# KiCad board Bus_Card.kicad_pcb (continued)
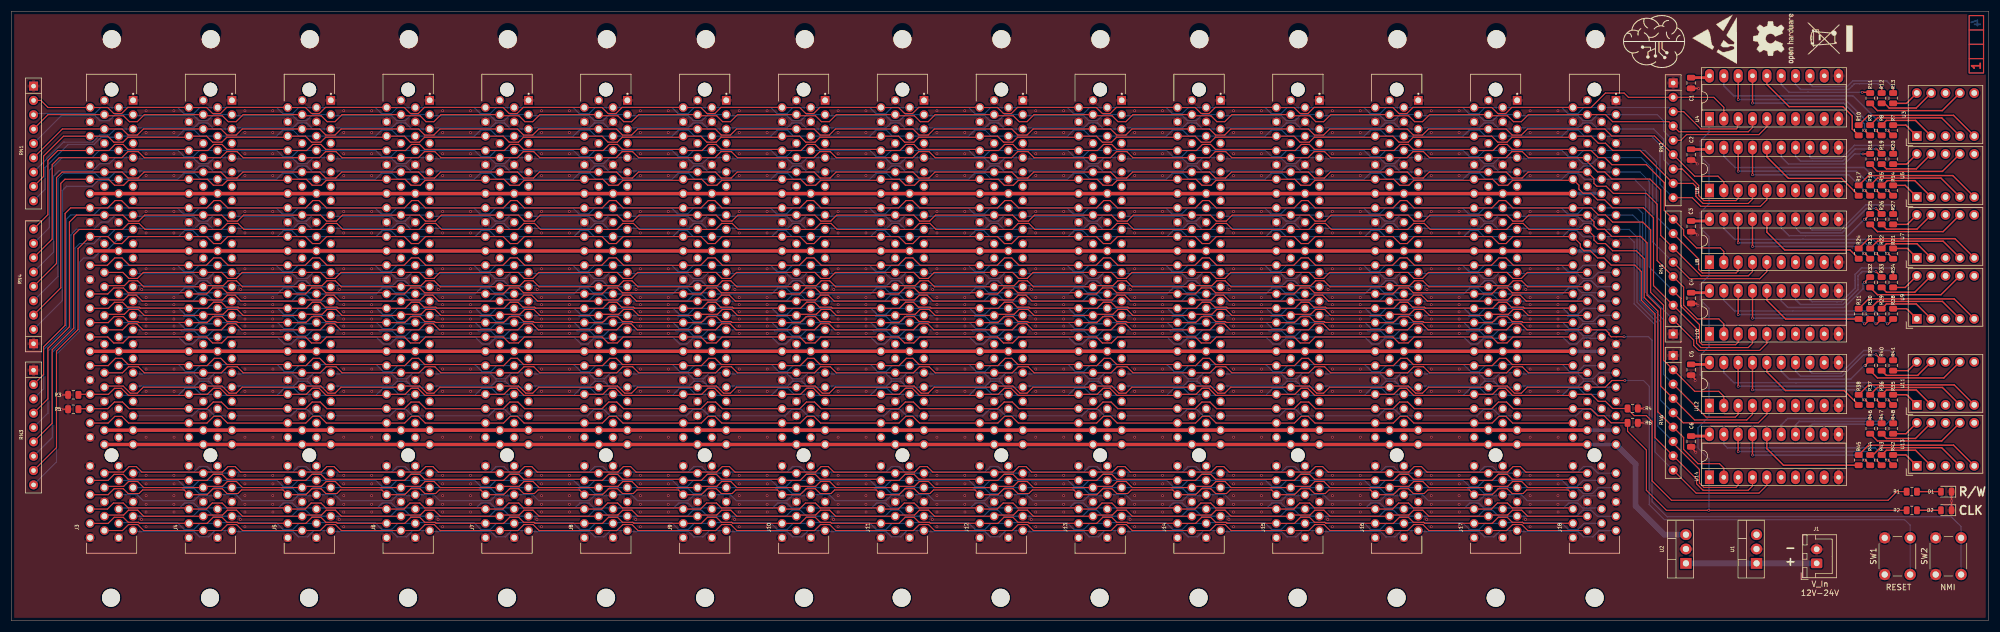
[diagram p0: board, top side]
## Routing (per net, layer and track width the routed paths; a pad name or vN(x,y) marks a point on that pad's centre or on a via; arc(x,y) is an arc through that point) (continued)
/D7: length 397.3
  Top w0.2: 310.69,25.4 310.76,25.32 310.76,24 309.37,22.61 298.24,22.61 RN6.9
  Bottom w0.2: RN6.9 290.96,29.89 290.96,52.45 287.27,56.13 287.27,67.06 286.29,68.04 J18.A20 278.21,68.04 277.14,69.1 275.65,69.1 274.59,68.04 J17.A20 260.71,68.04 259.64,69.1 258.15,69.1 257.09,68.04 J16.A20 243.21,68.04 242.14,69.1 240.65,69.1 239.59,68.04 J15.A20 225.71,68.04 224.64,69.1 223.15,69.1 222.09,68.04 J14.A20 208.21,68.04 207.14,69.1 205.65,69.1 204.59,68.04 J13.A20 190.71,68.04 189.64,69.1 188.15,69.1 187.09,68.04 J12.A20 173.21,68.04 172.14,69.1 170.65,69.1 169.59,68.04 J11.A20 155.71,68.04 154.64,69.1 153.15,69.1 152.09,68.04 J10.A20 138.21,68.04 137.14,69.1 135.65,69.1 134.59,68.04 J9.A20 120.71,68.04 119.64,69.1 118.15,69.1 117.09,68.04 J8.A20 103.21,68.04 102.14,69.1 100.65,69.1 99.59,68.04 J7.A20 85.71,68.04 84.64,69.1 83.15,69.1 82.09,68.04 J6.A20 68.21,68.04 67.14,69.1 65.65,69.1 64.59,68.04 J5.A20 50.71,68.04 49.64,69.1 48.15,69.1 47.09,68.04 J4.A20 33.21,68.04 32.14,69.1 30.65,69.1 29.59,68.04 J3.A20 19.02,67.68 16.87,65.53 15.88,65.53 14.6,64.26 12.83,64.26 12.06,63.5 12.06,51.31 8,47.24 8,28.12 RN3.9
/E: length 277.1
  Bottom w0.2: J18.A45 281,36.29 279.83,37.46 278.18,37.46 277,36.29 J17.A45 263.5,36.29 262.33,37.46 260.68,37.46 259.5,36.29 J16.A45 246,36.29 244.83,37.46 243.18,37.46 242,36.29 J15.A45 228.5,36.29 227.33,37.46 225.68,37.46 224.5,36.29 J14.A45 211,36.29 209.83,37.46 208.18,37.46 207,36.29 J13.A45 193.5,36.29 192.33,37.46 190.68,37.46 189.5,36.29 J12.A45 176,36.29 174.83,37.46 173.18,37.46 172,36.29 J11.A45 158.5,36.29 157.33,37.46 155.68,37.46 154.5,36.29 J10.A45 141,36.29 139.83,37.46 138.18,37.46 137,36.29 J9.A45 123.5,36.29 122.33,37.46 120.68,37.46 119.5,36.29 J8.A45 106,36.29 104.83,37.46 103.18,37.46 102,36.29 J7.A45 88.5,36.29 87.33,37.46 85.68,37.46 84.5,36.29 J6.A45 71,36.29 69.83,37.46 68.18,37.46 67,36.29 J5.A45 53.5,36.29 52.33,37.46 50.68,37.46 49.5,36.29 J4.A45 36,36.29 34.83,37.46 33.18,37.46 32,36.29 J3.A45
/M/X: length 277.1
  Top w0.2: J18.B46 265.76,35.02 264.59,36.19 263.32,36.19 262.14,35.02 J17.B46 248.26,35.02 247.09,36.19 245.82,36.19 244.64,35.02 J16.B46 230.76,35.02 229.59,36.19 228.32,36.19 227.14,35.02 J15.B46 213.26,35.02 212.09,36.19 210.82,36.19 209.64,35.02 J14.B46 195.76,35.02 194.59,36.19 193.32,36.19 192.14,35.02 J13.B46 178.26,35.02 177.09,36.19 175.82,36.19 174.64,35.02 J12.B46 160.76,35.02 159.59,36.19 158.32,36.19 157.14,35.02 J11.B46 143.26,35.02 142.09,36.19 140.82,36.19 139.64,35.02 J10.B46 125.76,35.02 124.59,36.19 123.32,36.19 122.14,35.02 J9.B46 108.26,35.02 107.09,36.19 105.82,36.19 104.64,35.02 J8.B46 90.76,35.02 89.59,36.19 88.32,36.19 87.14,35.02 J7.B46 73.26,35.02 72.09,36.19 70.82,36.19 69.64,35.02 J6.B46 55.76,35.02 54.59,36.19 53.32,36.19 52.14,35.02 J5.B46 38.26,35.02 37.09,36.19 35.82,36.19 34.64,35.02 J4.B46 20.76,35.02 19.59,36.19 18.32,36.19 17.14,35.02 J3.B46
/P2/VDA: length 275.7
  Bottom w0.2: J18.A39 281.07,43.91 280,42.84 278.26,42.84 277.39,43.71 266.75,43.71 J17.A39 263.57,43.91 262.5,42.84 260.76,42.84 259.89,43.71 249.25,43.71 J16.A39 246.07,43.91 245,42.84 243.26,42.84 242.39,43.71 231.75,43.71 J15.A39 228.57,43.91 227.5,42.84 225.76,42.84 224.89,43.71 214.25,43.71 J14.A39 211.07,43.91 210,42.84 208.26,42.84 207.39,43.71 196.75,43.71 J13.A39 193.57,43.91 192.5,42.84 190.76,42.84 189.89,43.71 179.25,43.71 J12.A39 176.07,43.91 175,42.84 173.26,42.84 172.39,43.71 161.75,43.71 J11.A39 158.57,43.91 157.5,42.84 155.76,42.84 154.89,43.71 144.25,43.71 J10.A39 141.07,43.91 140,42.84 138.26,42.84 137.39,43.71 126.75,43.71 J9.A39 123.57,43.91 122.5,42.84 120.76,42.84 119.89,43.71 109.25,43.71 J8.A39 106.07,43.91 105,42.84 103.26,42.84 102.39,43.71 91.75,43.71 J7.A39 88.57,43.91 87.5,42.84 85.76,42.84 84.89,43.71 74.25,43.71 J6.A39 71.07,43.91 70,42.84 68.26,42.84 67.39,43.71 56.75,43.71 J5.A39 53.57,43.91 52.5,42.84 50.76,42.84 49.89,43.71 39.25,43.71 J4.A39 36.07,43.91 35,42.84 33.26,42.84 32.39,43.71 21.75,43.71 J3.A39
/PAGE: length 275.7
  Top w0.2: J18.B34 265.83,50.26 264.76,49.19 263.15,49.19 262.08,50.26 J17.B34 248.33,50.26 247.26,49.19 245.65,49.19 244.58,50.26 J16.B34 230.83,50.26 229.76,49.19 228.15,49.19 227.08,50.26 J15.B34 213.33,50.26 212.26,49.19 210.64,49.19 209.58,50.26 J14.B34 195.83,50.26 194.76,49.19 193.14,49.19 192.08,50.26 J13.B34 178.33,50.26 177.26,49.19 175.64,49.19 174.58,50.26 J12.B34 160.83,50.26 159.76,49.19 158.14,49.19 157.08,50.26 J11.B34 143.33,50.26 142.26,49.19 140.64,49.19 139.58,50.26 J10.B34 125.83,50.26 124.76,49.19 123.14,49.19 122.08,50.26 J9.B34 108.33,50.26 107.26,49.19 105.64,49.19 104.58,50.26 J8.B34 90.83,50.26 89.76,49.19 88.14,49.19 87.08,50.26 J7.B34 73.33,50.26 72.26,49.19 70.65,49.19 69.58,50.26 J6.B34 55.83,50.26 54.76,49.19 53.15,49.19 52.08,50.26 J5.B34 38.33,50.26 37.26,49.19 35.65,49.19 34.58,50.26 J4.B34 20.83,50.26 19.76,49.19 18.15,49.19 17.08,50.26 J3.B34
/R/~{W}: length 354.1
  Top w0.2: 333.76,22.86 332.23,21.34 293.88,21.34 290.45,24.76 290.45,35.31 289.43,36.32 287.27,36.32 286.11,37.49 R4.1 283.46,37.59 282.19,38.86 280.92,38.86 279.69,40.1 J18.B42 276.24,39.9 265.76,39.9 264.5,41.16 263.27,41.16 262.21,40.1 J17.B42 258.74,39.9 248.26,39.9 247,41.16 245.77,41.16 244.71,40.1 J16.B42 241.24,39.9 230.76,39.9 229.5,41.16 228.27,41.16 227.21,40.1 J15.B42 223.74,39.9 213.26,39.9 212,41.16 210.77,41.16 209.71,40.1 J14.B42 206.24,39.9 195.76,39.9 194.5,41.16 193.27,41.16 192.21,40.1 J13.B42 188.74,39.9 178.26,39.9 177,41.16 175.77,41.16 174.71,40.1 J12.B42 171.24,39.9 160.76,39.9 159.5,41.16 158.27,41.16 157.21,40.1 J11.B42 153.74,39.9 143.26,39.9 142,41.16 140.77,41.16 139.71,40.1 J10.B42 136.24,39.9 125.76,39.9 124.5,41.16 123.27,41.16 122.21,40.1 J9.B42 118.74,39.9 108.26,39.9 107,41.16 105.77,41.16 104.71,40.1 J8.B42 101.24,39.9 90.76,39.9 89.5,41.16 88.27,41.16 87.21,40.1 J7.B42 83.74,39.9 73.26,39.9 72,41.16 70.77,41.16 69.71,40.1 J6.B42 66.24,39.9 55.76,39.9 54.5,41.16 53.27,41.16 52.21,40.1 J5.B42 48.74,39.9 38.26,39.9 37,41.16 35.77,41.16 34.71,40.1 J4.B42 31.24,39.9 20.76,39.9 19.5,41.16 18.27,41.16 17.21,40.1 J3.B42 11.98,40.1 R3.1 ; 333.76,22.86 333.94,22.86 ; 333.76,22.86 R1.1
/RAM_0: length 277.1
  Bottom w0.2: J3.A53 21.74,26.31 32.31,26.31 33.3,27.3 34.7,27.3 35.88,26.13 J4.A53 39.24,26.31 49.81,26.31 50.8,27.3 52.2,27.3 53.38,26.13 J5.A53 56.74,26.31 67.31,26.31 68.3,27.3 69.7,27.3 70.88,26.13 J6.A53 74.24,26.31 84.81,26.31 85.8,27.3 87.2,27.3 88.38,26.13 J7.A53 91.74,26.31 102.31,26.31 103.3,27.3 104.7,27.3 105.88,26.13 J8.A53 109.24,26.31 119.81,26.31 120.8,27.3 122.2,27.3 123.38,26.13 J9.A53 126.74,26.31 137.31,26.31 138.3,27.3 139.7,27.3 140.88,26.13 J10.A53 144.24,26.31 154.81,26.31 155.8,27.3 157.2,27.3 158.38,26.13 J11.A53 161.74,26.31 172.31,26.31 173.3,27.3 174.7,27.3 175.88,26.13 J12.A53 179.24,26.31 189.81,26.31 190.8,27.3 192.2,27.3 193.38,26.13 J13.A53 196.74,26.31 207.31,26.31 208.3,27.3 209.7,27.3 210.88,26.13 J14.A53 214.24,26.31 224.81,26.31 225.8,27.3 227.2,27.3 228.38,26.13 J15.A53 231.74,26.31 242.31,26.31 243.3,27.3 244.7,27.3 245.88,26.13 J16.A53 249.24,26.31 259.81,26.31 260.8,27.3 262.2,27.3 263.38,26.13 J17.A53 266.74,26.31 277.31,26.31 278.3,27.3 279.7,27.3 280.88,26.13 J18.A53
/RAM_1: length 275.7
  Bottom w0.2: J3.A54 29.53,24.86 30.59,23.79 32.21,23.79 33.27,24.86 J4.A54 47.03,24.86 48.09,23.79 49.71,23.79 50.77,24.86 J5.A54 64.53,24.86 65.59,23.79 67.21,23.79 68.27,24.86 J6.A54 82.03,24.86 83.09,23.79 84.71,23.79 85.77,24.86 J7.A54 99.53,24.86 100.59,23.79 102.21,23.79 103.27,24.86 J8.A54 117.03,24.86 118.09,23.79 119.71,23.79 120.77,24.86 J9.A54 134.53,24.86 135.59,23.79 137.21,23.79 138.27,24.86 J10.A54 152.03,24.86 153.09,23.79 154.71,23.79 155.77,24.86 J11.A54 169.53,24.86 170.59,23.79 172.21,23.79 173.27,24.86 J12.A54 187.03,24.86 188.09,23.79 189.71,23.79 190.77,24.86 J13.A54 204.53,24.86 205.59,23.79 207.21,23.79 208.27,24.86 J14.A54 222.03,24.86 223.09,23.79 224.71,23.79 225.77,24.86 J15.A54 239.53,24.86 240.59,23.79 242.21,23.79 243.27,24.86 J16.A54 257.03,24.86 258.09,23.79 259.71,23.79 260.77,24.86 J17.A54 274.53,24.86 275.59,23.79 277.21,23.79 278.27,24.86 J18.A54
/RAM_2: length 275.8
  Bottom w0.2: J18.A55 280.94,23.59 279.87,22.52 278.26,22.52 277.38,23.4 277.37,23.39 275.43,23.39 275.25,23.57 266.58,23.57 J17.A55 263.44,23.59 262.37,22.52 260.76,22.52 259.88,23.4 259.87,23.39 257.93,23.39 257.75,23.57 249.08,23.57 J16.A55 245.94,23.59 244.87,22.52 243.26,22.52 242.38,23.4 242.37,23.39 240.43,23.39 240.25,23.57 231.58,23.57 J15.A55 228.44,23.59 227.37,22.52 225.76,22.52 224.88,23.4 224.87,23.39 222.93,23.39 222.75,23.57 214.08,23.57 J14.A55 210.94,23.59 209.87,22.52 208.26,22.52 207.38,23.4 207.37,23.39 205.43,23.39 205.25,23.57 196.58,23.57 J13.A55 193.44,23.59 192.37,22.52 190.76,22.52 189.88,23.4 189.87,23.39 187.93,23.39 187.75,23.57 179.08,23.57 J12.A55 175.94,23.59 174.87,22.52 173.26,22.52 172.38,23.4 172.37,23.39 170.43,23.39 170.25,23.57 161.58,23.57 J11.A55 158.44,23.59 157.37,22.52 155.76,22.52 154.88,23.4 154.87,23.39 152.93,23.39 152.75,23.57 144.08,23.57 J10.A55 140.94,23.59 139.87,22.52 138.26,22.52 137.38,23.4 137.37,23.39 135.43,23.39 135.25,23.57 126.58,23.57 J9.A55 123.44,23.59 122.37,22.52 120.76,22.52 119.88,23.4 119.87,23.39 117.93,23.39 117.75,23.57 109.08,23.57 J8.A55 105.94,23.59 104.87,22.52 103.26,22.52 102.38,23.4 102.37,23.39 100.43,23.39 100.25,23.57 91.58,23.57 J7.A55 88.44,23.59 87.37,22.52 85.76,22.52 84.88,23.4 84.87,23.39 82.93,23.39 82.75,23.57 74.08,23.57 J6.A55 70.94,23.59 69.87,22.52 68.26,22.52 67.38,23.4 67.37,23.39 65.43,23.39 65.25,23.57 56.58,23.57 J5.A55 53.44,23.59 52.37,22.52 50.76,22.52 49.88,23.4 49.87,23.39 47.93,23.39 47.75,23.57 39.08,23.57 J4.A55 35.94,23.59 34.87,22.52 33.26,22.52 32.38,23.4 32.37,23.39 30.43,23.39 30.25,23.57 21.58,23.57 J3.A55
/RAM_3: length 275.7
  Bottom w0.2: J3.A56 22.29,22.32 23.35,21.25 32.33,21.25 33.2,22.12 36.32,22.12 J4.A56 39.79,22.32 40.85,21.25 49.83,21.25 50.7,22.12 53.82,22.12 J5.A56 57.29,22.32 58.35,21.25 67.33,21.25 68.2,22.12 71.32,22.12 J6.A56 74.79,22.32 75.85,21.25 84.83,21.25 85.7,22.12 88.82,22.12 J7.A56 92.29,22.32 93.35,21.25 102.33,21.25 103.2,22.12 106.32,22.12 J8.A56 109.79,22.32 110.85,21.25 119.83,21.25 120.7,22.12 123.82,22.12 J9.A56 127.29,22.32 128.35,21.25 137.33,21.25 138.2,22.12 141.32,22.12 J10.A56 144.79,22.32 145.85,21.25 154.83,21.25 155.7,22.12 158.82,22.12 J11.A56 162.29,22.32 163.35,21.25 172.33,21.25 173.2,22.12 176.32,22.12 J12.A56 179.79,22.32 180.85,21.25 189.83,21.25 190.7,22.12 193.82,22.12 J13.A56 197.29,22.32 198.35,21.25 207.33,21.25 208.2,22.12 211.32,22.12 J14.A56 214.79,22.32 215.85,21.25 224.83,21.25 225.7,22.12 228.82,22.12 J15.A56 232.29,22.32 233.35,21.25 242.33,21.25 243.2,22.12 246.32,22.12 J16.A56 249.79,22.32 250.85,21.25 259.83,21.25 260.7,22.12 263.82,22.12 J17.A56 267.29,22.32 268.35,21.25 277.33,21.25 278.2,22.12 281.32,22.12 J18.A56
/RAM_4: length 275.7
  Bottom w0.2: J18.A58 281.31,19.98 278.13,19.98 277.27,20.84 275.65,20.84 274.77,19.96 264.2,19.96 J17.A58 263.81,19.98 260.63,19.98 259.77,20.84 258.15,20.84 257.27,19.96 246.7,19.96 J16.A58 246.31,19.98 243.13,19.98 242.27,20.84 240.65,20.84 239.77,19.96 229.2,19.96 J15.A58 228.81,19.98 225.63,19.98 224.77,20.84 223.15,20.84 222.27,19.96 211.7,19.96 J14.A58 211.31,19.98 208.13,19.98 207.27,20.84 205.65,20.84 204.77,19.96 194.2,19.96 J13.A58 193.81,19.98 190.63,19.98 189.77,20.84 188.15,20.84 187.27,19.96 176.7,19.96 J12.A58 176.31,19.98 173.13,19.98 172.27,20.84 170.65,20.84 169.77,19.96 159.2,19.96 J11.A58 158.81,19.98 155.63,19.98 154.77,20.84 153.15,20.84 152.27,19.96 141.7,19.96 J10.A58 141.31,19.98 138.13,19.98 137.27,20.84 135.65,20.84 134.77,19.96 124.2,19.96 J9.A58 123.81,19.98 120.63,19.98 119.77,20.84 118.15,20.84 117.27,19.96 106.7,19.96 J8.A58 106.31,19.98 103.13,19.98 102.27,20.84 100.65,20.84 99.77,19.96 89.2,19.96 J7.A58 88.81,19.98 85.63,19.98 84.77,20.84 83.15,20.84 82.27,19.96 71.7,19.96 J6.A58 71.31,19.98 68.13,19.98 67.27,20.84 65.65,20.84 64.77,19.96 54.2,19.96 J5.A58 53.81,19.98 50.63,19.98 49.77,20.84 48.15,20.84 47.27,19.96 36.7,19.96 J4.A58 36.31,19.98 33.13,19.98 32.27,20.84 30.65,20.84 29.77,19.96 19.2,19.96 J3.A58
/RAM_5: length 275.7
  Bottom w0.2: J18.A59 280.75,18.51 279.68,19.57 278.19,19.57 277.13,18.51 J17.A59 263.25,18.51 262.18,19.57 260.69,19.57 259.63,18.51 J16.A59 245.75,18.51 244.68,19.57 243.19,19.57 242.13,18.51 J15.A59 228.25,18.51 227.18,19.57 225.69,19.57 224.63,18.51 J14.A59 210.75,18.51 209.68,19.57 208.19,19.57 207.13,18.51 J13.A59 193.25,18.51 192.18,19.57 190.69,19.57 189.63,18.51 J12.A59 175.75,18.51 174.68,19.57 173.19,19.57 172.13,18.51 J11.A59 158.25,18.51 157.18,19.57 155.69,19.57 154.63,18.51 J10.A59 140.75,18.51 139.68,19.57 138.19,19.57 137.13,18.51 J9.A59 123.25,18.51 122.18,19.57 120.69,19.57 119.63,18.51 J8.A59 105.75,18.51 104.68,19.57 103.19,19.57 102.13,18.51 J7.A59 88.25,18.51 87.18,19.57 85.69,19.57 84.63,18.51 J6.A59 70.75,18.51 69.68,19.57 68.19,19.57 67.13,18.51 J5.A59 53.25,18.51 52.18,19.57 50.69,19.57 49.63,18.51 J4.A59 35.75,18.51 34.68,19.57 33.19,19.57 32.13,18.51 J3.A59
/RAM_6: length 277.4
  Bottom w0.2: J18.A60 278.4,17.24 277.33,16.17 275.59,16.17 274.39,17.37 264.15,17.37 J17.A60 260.9,17.24 259.83,16.17 258.09,16.17 256.89,17.37 246.65,17.37 J16.A60 243.4,17.24 242.33,16.17 240.59,16.17 239.39,17.37 229.15,17.37 J15.A60 225.9,17.24 224.83,16.17 223.09,16.17 221.89,17.37 211.65,17.37 J14.A60 208.4,17.24 207.33,16.17 205.59,16.17 204.39,17.37 194.15,17.37 J13.A60 190.9,17.24 189.83,16.17 188.09,16.17 186.89,17.37 176.65,17.37 J12.A60 173.4,17.24 172.33,16.17 170.59,16.17 169.39,17.37 159.15,17.37 J11.A60 155.9,17.24 154.83,16.17 153.09,16.17 151.89,17.37 141.65,17.37 J10.A60 138.4,17.24 137.33,16.17 135.59,16.17 134.39,17.37 124.15,17.37 J9.A60 120.9,17.24 119.83,16.17 118.09,16.17 116.89,17.37 106.65,17.37 J8.A60 103.4,17.24 102.33,16.17 100.59,16.17 99.39,17.37 89.15,17.37 J7.A60 85.9,17.24 84.83,16.17 83.09,16.17 81.89,17.37 71.65,17.37 J6.A60 68.4,17.24 67.33,16.17 65.59,16.17 64.39,17.37 54.15,17.37 J5.A60 50.9,17.24 49.83,16.17 48.09,16.17 46.89,17.37 36.65,17.37 J4.A60 33.4,17.24 32.33,16.17 30.59,16.17 29.39,17.37 19.15,17.37 J3.A60
/RAM_7: length 276.3
  Bottom w0.2: J18.A61 281.07,15.97 279.96,14.86 278.3,14.86 277.39,15.77 266.75,15.77 J17.A61 263.57,15.97 262.46,14.86 260.8,14.86 259.89,15.77 249.25,15.77 J16.A61 246.07,15.97 244.96,14.86 243.3,14.86 242.39,15.77 231.75,15.77 J15.A61 228.57,15.97 227.46,14.86 225.8,14.86 224.89,15.77 214.25,15.77 J14.A61 211.07,15.97 209.95,14.86 208.3,14.86 207.39,15.77 196.75,15.77 J13.A61 193.57,15.97 192.45,14.86 190.8,14.86 189.89,15.77 179.25,15.77 J12.A61 176.07,15.97 174.95,14.86 173.3,14.86 172.39,15.77 161.75,15.77 J11.A61 158.57,15.97 157.45,14.86 155.8,14.86 154.89,15.77 144.25,15.77 J10.A61 141.07,15.97 139.95,14.86 138.3,14.86 137.39,15.77 126.75,15.77 J9.A61 123.57,15.97 122.45,14.86 120.8,14.86 119.89,15.77 109.25,15.77 J8.A61 106.07,15.97 104.95,14.86 103.3,14.86 102.39,15.77 91.75,15.77 J7.A61 88.57,15.97 87.45,14.86 85.8,14.86 84.89,15.77 74.25,15.77 J6.A61 71.07,15.97 69.96,14.86 68.3,14.86 67.39,15.77 56.75,15.77 J5.A61 53.57,15.97 52.46,14.86 50.8,14.86 49.89,15.77 39.25,15.77 J4.A61 36.07,15.97 34.96,14.86 33.3,14.86 32.39,15.77 21.75,15.77 J3.A61
/ROM_0: length 281
  Top w0.2: 173.79,26.31 J12.B53 ; 173.79,26.31 163.12,26.31 162.13,27.3 160.86,27.3 159.89,26.33 156.68,26.33 J11.B53 ; 173.79,26.31 J12.B53 ; J12.B53 174.18,26.33 177.39,26.33 178.36,27.3 179.63,27.3 180.62,26.31 191.29,26.31 ; 191.29,26.31 J13.B53 ; 191.29,26.31 J13.B53 ; J13.B53 191.68,26.33 194.89,26.33 195.86,27.3 197.13,27.3 198.12,26.31 208.79,26.31 ; 86.29,26.31 J7.B53 ; 86.29,26.31 J7.B53 ; 86.29,26.31 75.62,26.31 74.63,27.3 73.36,27.3 72.39,26.33 69.18,26.33 J6.B53 ; J7.B53 86.68,26.33 89.89,26.33 90.86,27.3 92.13,27.3 93.12,26.31 103.79,26.31 ; J10.B53 139.18,26.33 142.39,26.33 143.36,27.3 144.63,27.3 145.62,26.31 156.29,26.31 ; J10.B53 138.79,26.31 ; J10.B53 138.79,26.31 ; 33.79,26.31 23.12,26.31 22.13,27.3 20.86,27.3 19.89,26.33 16.68,26.33 J3.B53 16.29,26.31 ; 33.79,26.31 J4.B53 ; 33.79,26.31 J4.B53 ; J15.B53 226.68,26.33 229.89,26.33 230.86,27.3 232.13,27.3 233.12,26.31 243.79,26.31 ; J15.B53 226.29,26.31 ; J15.B53 226.29,26.31 ; 261.29,26.31 250.62,26.31 249.63,27.3 248.36,27.3 247.39,26.33 244.18,26.33 J16.B53 ; 261.29,26.31 J17.B53 ; 261.29,26.31 J17.B53 ; J9.B53 121.68,26.33 124.89,26.33 125.86,27.3 127.13,27.3 128.12,26.31 138.79,26.31 ; J9.B53 121.29,26.31 ; J9.B53 121.29,26.31 ; 156.29,26.31 J11.B53 ; 156.29,26.31 J11.B53 ; 226.29,26.31 215.62,26.31 214.63,27.3 213.36,27.3 212.39,26.33 209.18,26.33 J14.B53 ; 208.79,26.31 J14.B53 ; 208.79,26.31 J14.B53 ; J4.B53 34.18,26.33 37.39,26.33 38.36,27.3 39.63,27.3 40.62,26.31 51.29,26.31 ; 243.79,26.31 J16.B53 ; 243.79,26.31 J16.B53 ; 68.79,26.31 J6.B53 ; 68.79,26.31 J6.B53 ; 68.79,26.31 58.12,26.31 57.13,27.3 55.86,27.3 54.89,26.33 51.68,26.33 J5.B53 ; J17.B53 261.68,26.33 264.89,26.33 265.86,27.3 267.13,27.3 268.12,26.31 278.79,26.31 J18.B53 ; J8.B53 104.18,26.33 107.39,26.33 108.36,27.3 109.63,27.3 110.62,26.31 121.29,26.31 ; J8.B53 103.79,26.31 ; J8.B53 103.79,26.31 ; 51.29,26.31 J5.B53 ; 51.29,26.31 J5.B53
/ROM_1: length 275.7
  Top w0.2: J3.B54 17.14,24.86 18.21,25.92 19.83,25.92 20.69,25.06 31.23,25.06 J4.B54 34.64,24.86 35.71,25.92 37.32,25.92 38.18,25.06 48.73,25.06 J5.B54 52.14,24.86 53.21,25.92 54.82,25.92 55.68,25.06 66.23,25.06 J6.B54 69.64,24.86 70.71,25.92 72.32,25.92 73.19,25.06 83.73,25.06 J7.B54 87.14,24.86 88.21,25.92 89.82,25.92 90.69,25.06 101.23,25.06 J8.B54 104.64,24.86 105.71,25.92 107.32,25.92 108.19,25.06 118.73,25.06 J9.B54 122.14,24.86 123.21,25.92 124.82,25.92 125.69,25.06 136.23,25.06 J10.B54 139.64,24.86 140.71,25.92 142.32,25.92 143.19,25.06 153.73,25.06 J11.B54 157.14,24.86 158.21,25.92 159.82,25.92 160.69,25.06 171.23,25.06 J12.B54 174.64,24.86 175.71,25.92 177.32,25.92 178.19,25.06 188.73,25.06 J13.B54 192.14,24.86 193.21,25.92 194.82,25.92 195.69,25.06 206.23,25.06 J14.B54 209.64,24.86 210.71,25.92 212.32,25.92 213.19,25.06 223.73,25.06 J15.B54 227.14,24.86 228.21,25.92 229.83,25.92 230.68,25.06 241.23,25.06 J16.B54 244.64,24.86 245.71,25.92 247.33,25.92 248.18,25.06 258.73,25.06 J17.B54 262.14,24.86 263.21,25.92 264.83,25.92 265.69,25.06 276.23,25.06 J18.B54
/ROM_2: length 275.7
  Top w0.2: J3.B55 16.68,23.79 19.89,23.79 20.75,24.65 22.37,24.65 23.43,23.59 J4.B55 34.18,23.79 37.39,23.79 38.25,24.65 39.87,24.65 40.93,23.59 J5.B55 51.68,23.79 54.89,23.79 55.75,24.65 57.37,24.65 58.43,23.59 J6.B55 69.18,23.79 72.39,23.79 73.25,24.65 74.87,24.65 75.93,23.59 J7.B55 86.68,23.79 89.89,23.79 90.75,24.65 92.36,24.65 93.43,23.59 J8.B55 104.18,23.79 107.39,23.79 108.25,24.65 109.86,24.65 110.93,23.59 J9.B55 121.68,23.79 124.89,23.79 125.75,24.65 127.36,24.65 128.43,23.59 J10.B55 139.18,23.79 142.39,23.79 143.25,24.65 144.86,24.65 145.93,23.59 J11.B55 156.68,23.79 159.89,23.79 160.75,24.65 162.36,24.65 163.43,23.59 J12.B55 174.18,23.79 177.39,23.79 178.25,24.65 179.86,24.65 180.93,23.59 J13.B55 191.68,23.79 194.89,23.79 195.75,24.65 197.36,24.65 198.43,23.59 J14.B55 209.18,23.79 212.39,23.79 213.25,24.65 214.86,24.65 215.93,23.59 J15.B55 226.68,23.79 229.89,23.79 230.75,24.65 232.36,24.65 233.43,23.59 J16.B55 244.18,23.79 247.39,23.79 248.25,24.65 249.86,24.65 250.93,23.59 J17.B55 261.68,23.79 264.89,23.79 265.75,24.65 267.37,24.65 268.43,23.59 J18.B55
/ROM_3: length 283.7
  Top w0.2: J18.B56 275.59,23.16 268.25,23.16 267.61,22.52 265.69,22.52 264.83,23.38 263.21,23.38 262.14,22.32 J17.B56 258.09,23.16 250.75,23.16 250.11,22.52 248.18,22.52 247.33,23.38 245.71,23.38 244.64,22.32 J16.B56 240.59,23.16 233.25,23.16 232.61,22.52 230.68,22.52 229.83,23.38 228.21,23.38 227.14,22.32 J15.B56 223.09,23.16 215.75,23.16 215.11,22.52 213.19,22.52 212.32,23.38 210.71,23.38 209.64,22.32 J14.B56 205.59,23.16 198.25,23.16 197.61,22.52 195.69,22.52 194.82,23.38 193.21,23.38 192.14,22.32 J13.B56 188.09,23.16 180.75,23.16 180.11,22.52 178.19,22.52 177.32,23.38 175.71,23.38 174.64,22.32 J12.B56 170.59,23.16 163.25,23.16 162.61,22.52 160.69,22.52 159.82,23.38 158.21,23.38 157.14,22.32 J11.B56 153.09,23.16 145.75,23.16 145.11,22.52 143.19,22.52 142.32,23.38 140.71,23.38 139.64,22.32 J10.B56 135.59,23.16 128.25,23.16 127.61,22.52 125.69,22.52 124.82,23.38 123.21,23.38 122.14,22.32 J9.B56 118.09,23.16 110.75,23.16 110.11,22.52 108.19,22.52 107.32,23.38 105.71,23.38 104.64,22.32 J8.B56 100.59,23.16 93.25,23.16 92.61,22.52 90.69,22.52 89.82,23.38 88.21,23.38 87.14,22.32 J7.B56 83.09,23.16 75.75,23.16 75.11,22.52 73.19,22.52 72.32,23.38 70.71,23.38 69.64,22.32 J6.B56 65.59,23.16 58.25,23.16 57.61,22.52 55.68,22.52 54.82,23.38 53.21,23.38 52.14,22.32 J5.B56 48.09,23.16 40.75,23.16 40.11,22.52 38.18,22.52 37.32,23.38 35.71,23.38 34.64,22.32 J4.B56 30.59,23.16 23.25,23.16 22.61,22.52 20.69,22.52 19.83,23.38 18.21,23.38 17.14,22.32 J3.B56
/ROM_4: length 275.7
  Top w0.2: J18.B58 276.23,19.98 265.69,19.98 264.83,20.84 263.08,20.84 262.02,19.78 J17.B58 258.73,19.98 248.18,19.98 247.33,20.84 245.58,20.84 244.52,19.78 J16.B58 241.23,19.98 230.68,19.98 229.83,20.84 228.08,20.84 227.02,19.78 J15.B58 223.73,19.98 213.19,19.98 212.32,20.84 210.58,20.84 209.52,19.78 J14.B58 206.23,19.98 195.69,19.98 194.82,20.84 193.08,20.84 192.02,19.78 J13.B58 188.73,19.98 178.19,19.98 177.32,20.84 175.58,20.84 174.52,19.78 J12.B58 171.23,19.98 160.69,19.98 159.82,20.84 158.08,20.84 157.02,19.78 J11.B58 153.73,19.98 143.19,19.98 142.32,20.84 140.58,20.84 139.52,19.78 J10.B58 136.23,19.98 125.69,19.98 124.82,20.84 123.08,20.84 122.02,19.78 J9.B58 118.73,19.98 108.19,19.98 107.32,20.84 105.58,20.84 104.52,19.78 J8.B58 101.23,19.98 90.69,19.98 89.82,20.84 88.08,20.84 87.02,19.78 J7.B58 83.73,19.98 73.19,19.98 72.32,20.84 70.58,20.84 69.52,19.78 J6.B58 66.23,19.98 55.68,19.98 54.82,20.84 53.08,20.84 52.02,19.78 J5.B58 48.73,19.98 38.18,19.98 37.32,20.84 35.58,20.84 34.52,19.78 J4.B58 31.23,19.98 20.69,19.98 19.83,20.84 18.08,20.84 17.02,19.78 J3.B58
/ROM_5: length 275.7
  Top w0.2: J3.B59 16.68,18.71 19.89,18.71 20.75,19.57 22.37,19.57 23.43,18.51 J4.B59 34.18,18.71 37.39,18.71 38.25,19.57 39.87,19.57 40.93,18.51 J5.B59 51.68,18.71 54.89,18.71 55.75,19.57 57.37,19.57 58.43,18.51 J6.B59 69.18,18.71 72.39,18.71 73.25,19.57 74.87,19.57 75.93,18.51 J7.B59 86.68,18.71 89.89,18.71 90.75,19.57 92.36,19.57 93.43,18.51 J8.B59 104.18,18.71 107.39,18.71 108.25,19.57 109.86,19.57 110.93,18.51 J9.B59 121.68,18.71 124.89,18.71 125.75,19.57 127.36,19.57 128.43,18.51 J10.B59 139.18,18.71 142.39,18.71 143.25,19.57 144.86,19.57 145.93,18.51 J11.B59 156.68,18.71 159.89,18.71 160.75,19.57 162.36,19.57 163.43,18.51 J12.B59 174.18,18.71 177.39,18.71 178.25,19.57 179.86,19.57 180.93,18.51 J13.B59 191.68,18.71 194.89,18.71 195.75,19.57 197.36,19.57 198.43,18.51 J14.B59 209.18,18.71 212.39,18.71 213.25,19.57 214.86,19.57 215.93,18.51 J15.B59 226.68,18.71 229.89,18.71 230.75,19.57 232.36,19.57 233.43,18.51 J16.B59 244.18,18.71 247.39,18.71 248.25,19.57 249.86,19.57 250.93,18.51 J17.B59 261.68,18.71 264.89,18.71 265.75,19.57 267.37,19.57 268.43,18.51 J18.B59
/ROM_6: length 275.9
  Top w0.2: J18.B60 276.41,17.27 267.69,17.27 267.53,17.43 265.69,17.43 264.81,18.31 263.22,18.31 262.14,17.24 J17.B60 258.91,17.27 250.19,17.27 250.03,17.43 248.19,17.43 247.31,18.31 245.72,18.31 244.64,17.24 J16.B60 241.41,17.27 232.69,17.27 232.53,17.43 230.69,17.43 229.81,18.31 228.22,18.31 227.14,17.24 J15.B60 223.91,17.27 215.19,17.27 215.03,17.43 213.19,17.43 212.31,18.31 210.72,18.31 209.64,17.24 J14.B60 206.41,17.27 197.69,17.27 197.53,17.43 195.69,17.43 194.81,18.31 193.22,18.31 192.14,17.24 J13.B60 188.91,17.27 180.19,17.27 180.03,17.43 178.19,17.43 177.31,18.31 175.72,18.31 174.64,17.24 J12.B60 171.41,17.27 162.69,17.27 162.53,17.43 160.69,17.43 159.81,18.31 158.22,18.31 157.14,17.24 J11.B60 153.91,17.27 145.19,17.27 145.03,17.43 143.19,17.43 142.31,18.31 140.72,18.31 139.64,17.24 J10.B60 136.41,17.27 127.69,17.27 127.53,17.43 125.69,17.43 124.81,18.31 123.22,18.31 122.14,17.24 J9.B60 118.91,17.27 110.19,17.27 110.03,17.43 108.19,17.43 107.31,18.31 105.72,18.31 104.64,17.24 J8.B60 101.41,17.27 92.69,17.27 92.53,17.43 90.69,17.43 89.81,18.31 88.22,18.31 87.14,17.24 J7.B60 83.91,17.27 75.19,17.27 75.03,17.43 73.19,17.43 72.31,18.31 70.72,18.31 69.64,17.24 J6.B60 66.41,17.27 57.69,17.27 57.53,17.43 55.7,17.43 54.82,18.31 53.22,18.31 52.14,17.24 J5.B60 48.91,17.27 40.19,17.27 40.03,17.43 38.2,17.43 37.32,18.31 35.72,18.31 34.64,17.24 J4.B60 31.41,17.27 22.69,17.27 22.53,17.43 20.7,17.43 19.81,18.31 18.22,18.31 17.14,17.24 J3.B60
